# KiCad board katia.kicad_pcb (continued)
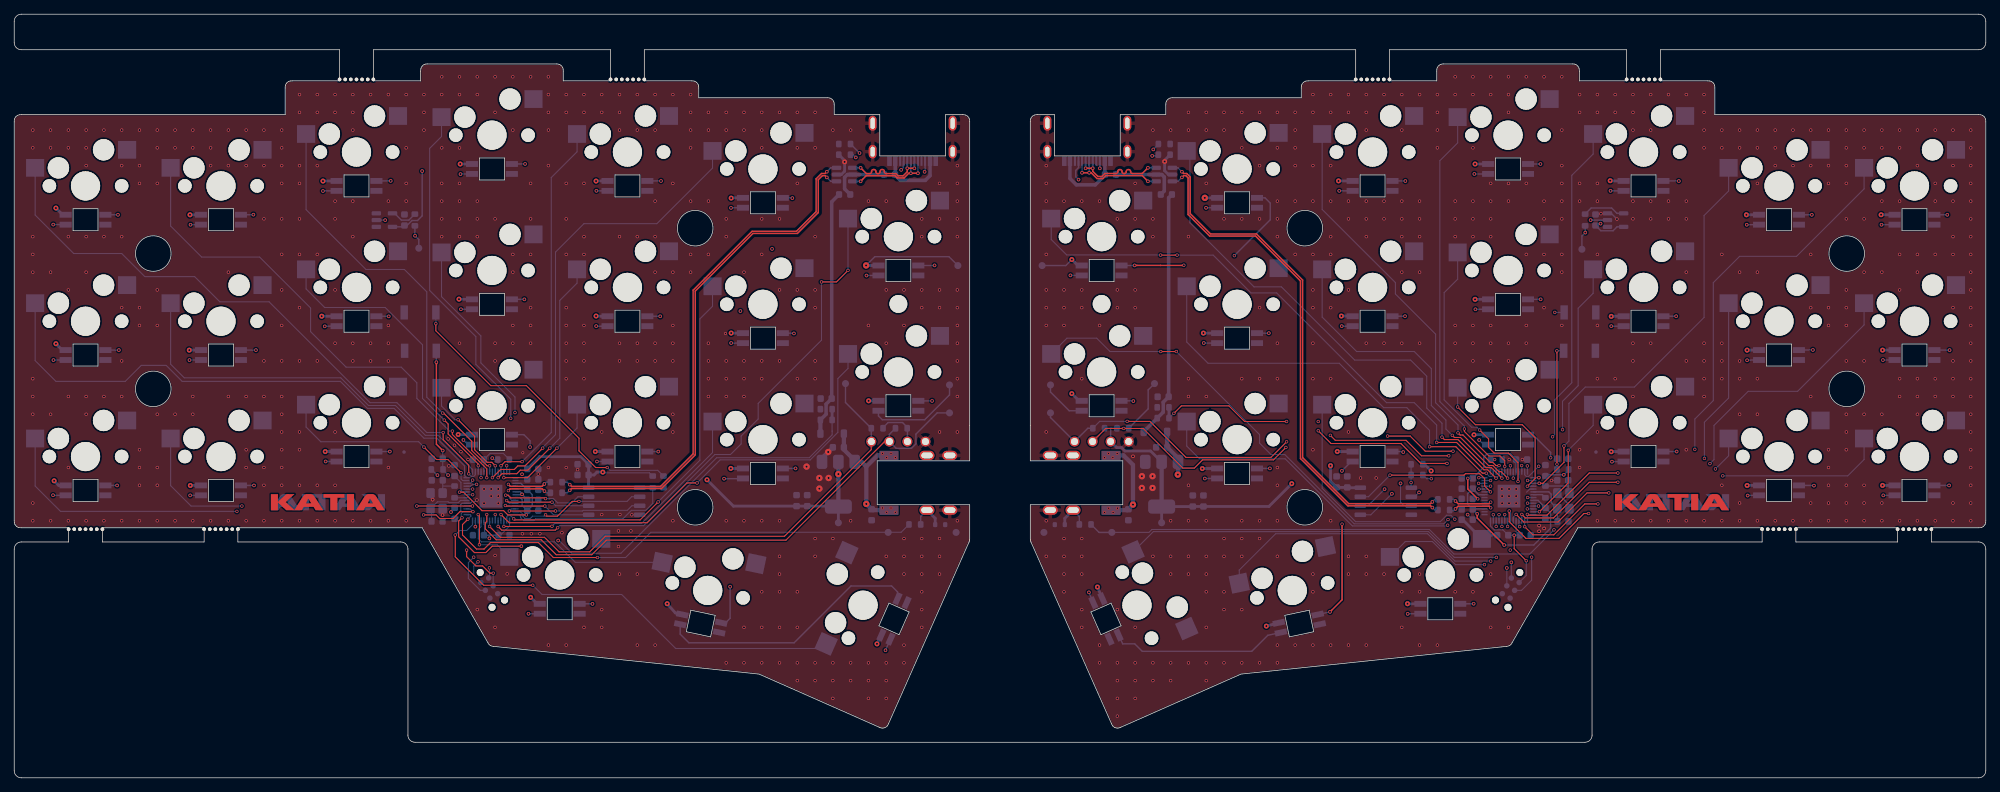
[diagram p0: board, top side]
## Routing (per net, layer and track width the routed paths; a pad name or vN(x,y) marks a point on that pad's centre or on a via; arc(x,y) is an arc through that point) (continued)
/Left Board/D+: length 73.6
  Top w0.2: v4(78.11,40.47) 78.36,40.72 91.02,40.72 95.76,45.47 95.76,68.52 103.88,76.63 110.13,76.63 113.06,79.57 113.06,84.19 113.64,84.77 114.01,84.77 v4(114.26,84.52)
  Bottom w0.2: R3.1 77.76,40.12 v4(78.11,40.47) ; U5.1 114.81,83.97 v4(114.26,84.52)
/Left Board/D-: length 73.6
  Top w0.2: v4(114.26,85.32) 114.01,85.07 113.51,85.07 112.76,84.32 112.76,79.69 110,76.93 103.75,76.93 95.46,68.64 95.46,45.59 90.89,41.02 78.36,41.02 v4(78.11,41.27)
  Bottom w0.2: v4(114.26,85.32) 114.81,85.87 U5.3 ; R4.2 77.76,41.62 v4(78.11,41.27)
/Left Board/KEY1: length 63.5
  Top w0.15: v1(72.91,27.1) 66.01,27.1 62.01,31.1 v1(62.01,34.17)
  Bottom w0.15: U1.14 64.44,35.63 63.61,34.8 62.64,34.8 v1(62.01,34.17) ; v1(72.91,27.1) 74.21,25.8 85.41,25.8 93.01,18.2 113.52,18.2
/Left Board/KEY2: length 38.9
  Top w0.15: v1(68.84,35.38) 75.59,35.38 v1(75.61,35.4)
  Bottom w0.15: v1(75.61,35.4) 76,35.79 88.2,35.79 98.19,45.78 SW20.1 ; v1(68.84,35.38) U1.3
/Left Board/KEY3: length 56.7
  Top w0.15: v1(90.54,38.83) 88.01,36.3 70.39,36.3 v1(70.24,36.45)
  Bottom w0.15: U1.2 69.24,36.71 69.44,36.9 69.79,36.9 v1(70.24,36.45) ; SW19.1 98.19,66.38 96.41,64.6 96.41,44.7 v1(90.54,38.83)
/Left Board/KEY4: length 67.4
  Top w0.15: v1(67.24,42.25) 68.4,43.4 70.31,43.4 70.81,43.9 71.81,43.9 v1(74.31,46.4)
  Bottom w0.15: U1.36 v1(67.24,42.25) ; 98.19,88.24 98.19,85.83 90.36,78 80.11,78 76.11,74 76.11,48.3 74.31,46.5 v1(74.31,46.4)
/Left Board/KEY5: length 53.4
  Top w0.15: v1(71.41,44.5) 69.02,44.5 v1(68.44,43.93)
  Bottom w0.15: SW14.1 79.14,88.13 75.51,84.5 75.51,48.6 v1(71.41,44.5) ; U1.39 v1(68.44,43.93)
/Left Board/KEY6: length 36.6
  Top w0.15: v1(68.04,42.25) 68.6,42.8 70.66,42.8 71.16,43.3 72.21,43.3 v1(75.31,46.4)
  Bottom w0.15: v1(75.31,46.4) 76.71,47.8 76.71,67.2 79.14,69.63 SW15.1 ; U1.38 v1(68.04,42.25)
/Left Board/KEY7: length 17.3
  Top w0.15: v1(68.84,42.25) 72.16,42.25 v1(76.31,46.4)
  Bottom w0.15: v1(76.31,46.4) 79.14,49.23 SW16.1 ; U1.40 v1(68.84,42.25)
/Left Board/KEY8: length 29.9
  Bottom w0.15: SW17.1 78.89,30.33 75.99,33.22 65.69,33.22 65.26,33.65 65.26,34.97 65.64,35.35 U1.11
/Left Board/KEY9: length 10.1
  Top w0.15: v1(65.41,32.8) 65.41,36.89 v1(65.24,37.06)
  Bottom w0.15: v1(65.41,32.8) 67.91,32.8 SW13.1 ; v1(65.24,37.06) U1.12
/Left Board/KEY10: length 15.6
  Top w0.15: v1(67.64,43.93) 67.17,44.4 67.05,44.4 67.04,44.41 66.64,44.41 66.64,44.4 66.51,44.4 64.74,46.18 64.74,48.08 v1(62.41,50.4)
  Bottom w0.15: v1(62.41,50.4) 62.01,50.4 60.09,52.33 SW12.1 ; U1.37 v1(67.64,43.93)
/Left Board/KEY11: length 43.2
  In1.Cu w0.15: v1(67.64,37.06) 68.56,37.98 68.56,41.15 70.41,43 v1(70.41,51.4)
  Bottom w0.15: SW11.1 60.09,67.73 65.61,62.2 65.61,58.4 70.41,53.6 v1(70.41,51.4) ; v1(67.64,37.06) U1.6
/Left Board/KEY12: length 55.6
  In1.Cu w0.15: v1(69.24,43.93) 69.81,44.5 v1(69.81,50.6)
  Bottom w0.15: U1.41 v1(69.24,43.93) ; SW10.1 60.09,90.28 58.41,88.6 58.41,68.6 64.91,62.11 64.91,58.21 69.81,53.3 v1(69.81,50.6)
/Left Board/KEY13: length 61.7
  Top w0.15: v1(60.25,51.34) 60.38,51.34 64.34,47.38 64.34,46.08 66.49,43.93 v1(66.84,43.93)
  Bottom w0.15: U1.35 v1(66.84,43.93) ; v1(60.25,51.34) 58.01,53.58 58.01,68.4 54.86,71.55 49.46,71.55 41.04,79.98 SW7.1
/Left Board/KEY14: length 43.5
  Top w0.15: v1(65.25,43.93) 65.25,44.16 61.01,48.4 61.01,49.8 v1(60.46,50.35)
  Bottom w0.15: U1.31 65.24,43.92 v1(65.25,43.93) ; v1(60.46,50.35) 57.41,53.4 57.41,60.95 52.16,66.2 43.66,66.2 41.04,68.82 SW8.1
/Left Board/KEY15: length 29.3
  Top w0.15: v1(57.61,46.55) 59.36,44.8 60.97,44.8 v1(62.83,42.94)
  Bottom w0.15: U1.27 63.05,41.85 62.83,42.07 v1(62.83,42.94) ; v1(57.61,46.55) 56.86,47.3 43.11,47.3 41.04,49.38 SW9.1
/Left Board/KEY16: length 51.1
  Top w0.15: v1(56.61,38.26) v1(64.44,38.26)
  In2.Cu w0.15: v1(32.01,38.25) 56.61,38.25 v1(56.61,38.26)
  Bottom w0.15: SW6.1 21.99,41.13 24.86,38.25 v1(32.01,38.25) ; v1(64.44,38.26) 64.43,38.25 U1.18 ; v1(56.61,38.26) 56.61,38.25
/Left Board/KEY17: length 57.2
  Bottom w0.15: 64.44,43.37 59.61,48.2 57.81,48.2 53.61,52.4 49.81,52.4 45.91,56.3 23.91,56.3 21.99,58.23 SW5.1
/Left Board/KEY18: length 72.4
  Top w0.15: v1(66.44,42.25) 66.44,43.5 61.61,48.33 v1(61.61,48.8)
  Bottom w0.15: SW4.1 21.99,77.68 26.36,73.3 34.5,73.3 41.67,66.13 41.67,62.8 46.67,57.8 54.41,57.8 56.61,55.6 56.61,53.4 61.21,48.8 v1(61.61,48.8) ; U1.34 v1(66.44,42.25)
/Left Board/KEY19: length 85.6
  Top w0.15: v1(63.91,42.79) 63.91,44 60.31,47.6 v1(60.31,48.6)
  Bottom w0.15: U1.30 64.84,42.66 64.61,42.42 64.28,42.42 v1(63.91,42.79) ; SW1.1 2.94,79.23 8.36,73.8 15.11,73.8 18.36,70.55 25.36,70.55 28.91,67 35.84,67 50.04,52.8 53.81,52.8 58.01,48.6 v1(60.31,48.6)
/Left Board/KEY20: length 78.2
  Bottom w0.15: SW2.1 2.94,58.73 5.86,55.8 15.61,55.8 17.86,58.05 21.36,58.05 23.61,55.8 45.86,55.8 49.66,52 53.41,52 57.61,47.8 59.41,47.8 63.31,43.9 63.31,42.54 U1.28
/Left Board/KEY21: length 71.6
  Top w0.15: v1(57.56,37) 59.31,37 59.81,36.5 61.71,36.5 62.67,37.46 v1(64.5,37.46)
  In2.Cu w0.15: v1(31.31,37.5) 57.06,37.5 v1(57.56,37)
  Bottom w0.15: SW3.1 2.94,41.08 6.51,37.5 v1(31.31,37.5) ; v1(64.5,37.46) 64.11,37.85 U1.17 ; v1(57.56,37) 57.54,36.98
/Left Board/KEY22: length 79.4
  Top w0.15: v1(117.24,71.43) 115.61,69.8 v1(113.51,69.8) ; v1(68.04,35.37) 68.05,35.37 68.55,34.86 76.07,34.86 v1(76.41,35.2)
  Bottom w0.15: v1(113.51,69.8) 113.51,61.6 104.61,52.7 104.61,50.5 102.21,48.1 102.21,47 100.71,45.5 98.51,45.5 88.5,35.49 76.7,35.49 v1(76.41,35.2) ; v1(117.24,71.43) SW22.1 ; v1(68.04,35.37) U1.5
/Left Board/KEY23: length 65.6
  Top w0.15: v1(96.01,41.5) 94.61,41.5 89.01,35.9 69.6,35.9 v1(68.44,37.06)
  Bottom w0.15: v1(96.01,41.5) 99.26,44.75 111.94,44.75 115.81,48.63 115.81,56.2 117.24,57.63 SW23.1 ; v1(68.44,37.06) U1.4
/Left Board/LED: length 53.1
  In1.Cu w0.2: v4(52.16,78.5) 55.06,75.6 55.06,40.78 60.49,35.35 v4(64.84,35.35)
  Bottom w0.15: U1.13 v4(64.84,35.35)
  Bottom w0.2: U4.2 52.16,78.51 v4(52.16,78.5)
/Left Board/QSPI_SCLK: length 13.2
  Top w0.15: v1(75.61,38.8) 69.46,38.8 v1(69.24,39.03)
  Bottom w0.15: v1(75.61,38.8) 76.12,38.29 U3.6 ; U1.52 69.62,38.65 v1(69.24,39.03)
/Left Board/QSPI_SD0: length 13.7
  Top w0.15: v1(74.61,38.25) 69.14,38.25 v1(69.06,38.33)
  Bottom w0.15: U3.5 75.84,37.02 v1(74.61,38.25) ; v1(69.06,38.33) 69.14,38.25 69.55,38.25 69.56,38.25 U1.53
/Left Board/QSPI_SD1: length 19.5
  Top w0.15: v1(74.71,37.03) 74.91,36.83 76.39,36.83 78.46,38.9 v1(79.41,38.9)
  Bottom w0.15: v1(79.41,38.9) 86.16,38.9 86.82,39.56 U3.2 ; U1.55 71.17,37.45 71.53,37.08 71.53,36.81 71.81,36.52 71.82,36.52 71.84,36.5 72.56,36.5 72.89,36.83 74.52,36.83 v1(74.71,37.03)
/Left Board/QSPI_SD2: length 19.6
  Top w0.15: v1(76.11,37.55) v1(69.61,37.55)
  Bottom w0.15: U1.54 69.91,37.85 v1(69.61,37.55) ; U3.3 86.85,38.29 86.21,37.65 80,37.65 79.9,37.55 v1(76.11,37.55)
/Left Board/QSPI_SD3: length 14.2
  Top w0.15: v1(74.71,39.3) 74.61,39.4 69.84,39.4 69.46,39.78 v1(69.1,39.78)
  Bottom w0.15: U1.51 69.97,39.05 69.71,39.3 69.71,39.45 69.39,39.78 v1(69.1,39.78) ; v1(74.71,39.3) 75.81,39.3 76.41,38.7 78.41,38.7 79.27,39.56 U3.7
/Left Board/QSPI_SS: length 26.3
  Bottom w0.15: R18.1 R17.1 89.78,38.62 88.81,37.65 86.78,37.65 85.6,36.47 73.32,36.47 73.05,36.2 71.61,36.2 71.21,36.6 71.21,36.8 70.97,37.05 U1.56 ; U3.1 89.77,40.83
/Left Board/RUN: length 41.5
  Top w0.15: v1(67.36,28.8) 66.89,28.8 65.87,29.83 64.92,29.83 63.61,31.13 v1(63.61,32.05)
  Top w0.2: v4(59.36,58.5) 59.36,46.95 v4(60.25,46.06)
  In1.Cu w0.15: v4(61.01,42.6) 62,41.62 63.86,41.62 ; v1(64.46,41.9) 64.18,41.62 63.86,41.62 ; 63.86,41.62 63.86,37.3 65.41,35.75 65.41,33.85 v1(63.61,32.05)
  Bottom w0.15: v1(64.46,41.9) 64.33,41.77 64.33,41.62 64.16,41.45 U1.26 ; v4(60.25,46.06) C5.1 60.25,43.45 ; v4(61.01,42.6) 60.3,43.32 ; J3.3 67.35,28.79 v1(67.36,28.8)
  Bottom w0.2: TACTSW1.2 59.35,58.52 v4(59.36,58.5)
/Left Board/SCL: length 81.8
  Top w0.15: J2.2 122.39,47.33 108.51,33.45 83.26,33.45 81.21,31.4 76.21,31.4 74.11,33.5 67.77,33.5 66.24,35.04 66.24,35.88 66.44,36.08 v1(66.44,37.06)
  Bottom w0.15: v1(66.44,37.06) U1.9
  Bottom w0.2: TP3.1 129.78,51.37 126.79,48.38 126.79,47 126.17,46.38 124.01,46.38 J2.2 123.06,48.35 R8.2
/Left Board/SDA: length 72.7
  Top w0.15: J2.1 120.52,46.21 108.31,34 83.11,34 80.91,31.8 76.61,31.8 74.56,33.85 68.36,33.85 v1(66.84,35.38)
  Bottom w0.15: U1.8 66.84,35.38 v1(66.84,35.38)
  Bottom w0.2: 120.51,47.34 R7.2 116.89,52.83 TP2.1
/Left Board/SPLIT_HAND: length 5.1
  In1.Cu w0.15: v1(65.64,42.25) 65.64,43.43 v4(67.21,45)
  Bottom w0.15: 67.97,44.8 67.41,44.8 v4(67.21,45) ; U1.32 v1(65.64,42.25)
/Left Board/SWCLK: length 18.2
  In1.Cu w0.15: v1(64.46,40.64) 65.54,39.56 65.54,37.83 65.86,37.5 65.86,36.65 66.24,36.28 66.24,32.68 v1(64.61,31.05)
  Bottom w0.15: v1(64.61,31.05) 63.86,30.3 63.86,28.05 65.53,26.39 J3.4 ; v1(64.46,40.64) 64.45,40.65 U1.24
/Left Board/SWD: length 17.9
  In1.Cu w0.15: v1(65.21,30.4) 67.44,32.63 67.44,35.98 67.04,36.38 67.04,38.73 65.01,40.75 65.01,41.21 65.03,41.23 v1(65.01,41.3)
  Bottom w0.15: J3.2 64.61,28.49 64.61,29.8 v1(65.21,30.4) ; U1.25 64.16,41.05 64.26,41.15 64.28,41.15 64.44,41.3 v1(65.01,41.3)
/Left Board/TX: length 70.7
  Top w0.15: v1(63.79,36.4) 63.03,35.65 63.03,34.18 65.01,32.2 66.06,32.2 66.96,33.1 73.71,33.1 75.81,31 v1(82.01,31)
  Bottom w0.15: U1.15 64.12,37.05 64.21,36.96 64.21,36.83 v1(63.79,36.4) ; R6.2 124.71,34.56 89.52,34.56 85.96,31 v1(82.01,31)
/Left Board/USB/DATA+: length 13.3
  Top w0.2: v4(127.07,85.1) v4(126.08,85.1) 125.79,85.1 125.13,84.44 124.16,84.44 123.85,84.75 119.8,84.75 v4(119.01,83.97)
  Bottom w0.2: J7.B6 127.08,85.11 v4(127.07,85.1) ; U5.6 v4(119.01,83.97) ; 119.01,84 118.98,83.97 ; v4(126.08,85.1) J7.A6
/Left Board/USB/DATA-: length 13.4
  Top w0.2: v4(119.01,85.87) 119.83,85.06 120.31,85.06 arc(120.48,85.13) 120.55,85.3 120.55,85.39 arc(120.62,85.56) 120.79,85.63 120.91,85.63 arc(121.08,85.56) 121.15,85.39 121.15,85.3 arc(121.22,85.13) 121.39,85.06 121.51,85.06 arc(121.68,85.13) 121.75,85.3 121.75,85.39 arc(121.82,85.56) 121.99,85.63 122.11,85.63 arc(122.28,85.56) 122.35,85.39 122.35,85.3 arc(122.42,85.13) 122.59,85.06 123.98,85.06 124.29,84.75 125,84.75 125.58,85.32 v4(125.58,85.8) v4(126.58,85.8)
  Bottom w0.2: v4(126.58,85.8) J7.A7 ; v4(125.58,85.8) J7.B7 ; 119.01,85.85 118.96,85.85 118.95,85.87 ; U5.4 v4(119.01,85.87)
/Left Board/USB_VBUS: length 69.8
  Top w0.15: v4(71.31,32.6) 67.21,32.6 66.31,31.7 64.71,31.7 62.49,33.92 62.49,36.13 v1(62.96,36.6)
  In1.Cu w0.15: v4(76.49,33.4) 72.11,33.4 v4(71.31,32.6)
  Bottom w0.15: U1.16 63.08,37.45 62.86,37.23 62.86,36.7 v1(62.96,36.6) ; R22.2 115.01,48.81 115.01,48.8 115.01,48.28 111.79,45.05 98.76,45.05 85.31,31.6 78.41,31.6 76.62,33.4 v4(76.49,33.4)
  Bottom w0.4: R22.2 R23.1
/Left Board/XIN: length 7.3
  Bottom w0.15: U1.20 62.76,39.05 62.44,38.73 61.14,38.73 61.01,38.85 59.52,38.85 Y1.1 ; C2.1 58.68,37.74
/Left Board/XOUT: length 1.7
  Bottom w0.15: R2.2 63.58,39.42 U1.21
/Right Board/D+: length 74.8
  Top w0.2: v4(199.41,38.84) 199.16,38.59 187.64,38.59 181.16,45.07 181.16,70.07 174.68,76.56 168.23,76.56 165.36,79.42 165.36,84.57 164.86,85.07 164.44,85.07 v4(164.19,85.32)
  Bottom w0.2: R11.1 199.76,39.19 v4(199.41,38.84) ; U9.1 163.64,85.87 v4(164.19,85.32)
/Right Board/D-: length 74.8
  Top w0.2: v4(199.41,38.04) 199.16,38.29 187.51,38.29 180.86,44.94 180.86,69.94 174.55,76.25 168.1,76.25 165.06,79.29 165.06,84.44 164.74,84.77 164.44,84.77 v4(164.19,84.52)
  Bottom w0.2: R12.2 199.76,37.69 v4(199.41,38.04) ; v4(164.19,84.52) 163.64,83.97 U9.3
/Right Board/KEY1: length 59.6
  In1.Cu w0.15: v1(208.41,31.03) 208.41,33.8 v1(209.99,35.38)
  Bottom w0.15: v1(208.41,31.03) 202.49,31.03 198.86,34.65 160.17,34.65 SW44.1 ; U2.36 209.98,35.38
/Right Board/KEY2: length 54.3
  In1.Cu w0.15: v1(201.56,35.55) 207.86,35.55 208.17,35.86 208.39,35.86 v1(209.58,37.05)
  Bottom w0.15: SW43.1 164.87,46.7 166.66,44.9 178.71,44.9 188.16,35.45 201.46,35.45 v1(201.56,35.55) ; v1(209.58,37.05) U2.37
/Right Board/KEY3: length 60.7
  Top w0.15: v1(206.99,42.88) 206.44,42.88 202.71,46.6 v1(199.01,46.6)
  Bottom w0.15: v1(199.01,46.6) 199.01,48.9 195.81,52.1 192.56,52.1 186.31,58.35 167.86,58.35 164.87,61.35 SW42.1 ; v1(206.99,42.88) 206.99,42.85 207.42,42.42 207.76,42.42 207.98,42.65 U2.2
/Right Board/KEY4: length 73.7
  Top w0.15: v1(209.19,42.18) 207.71,43.65 206.96,43.65 203.01,47.6 201.11,47.6 v1(200.76,47.95)
  Bottom w0.15: v1(209.19,42.18) 209.18,42.18 U2.5 ; v1(200.76,47.95) 200.76,49.9 198.61,52.05 198.61,56.54 196.35,58.8 188.49,58.8 178.19,69.11 174.34,69.11 165.31,78.13 165.31,87.8 164.87,88.24
/Right Board/KEY5: length 58.7
  Top w0.15: v1(203.01,48.55) 203.31,48.25 203.71,48.25 207.56,44.4 207.89,44.4 208.34,43.95 v1(208.79,43.95)
  Bottom w0.15: v1(203.01,48.55) 203.01,49.65 199.86,52.8 199.86,62.45 194.21,68.1 194.21,69.7 183.92,80 SW37.1 ; v1(208.79,43.95) 208.38,43.55 U2.3
/Right Board/KEY6: length 46.9
  Top w0.15: v1(202.21,48.2) 202.51,47.9 203.36,47.9 207.31,43.95 207.91,43.95 208.76,43.1 209.06,43.1 v1(209.99,42.18)
  Bottom w0.15: v1(209.99,42.18) 209.98,42.18 U2.7 ; v1(202.21,48.2) 201.31,49.1 201.31,50.35 199.26,52.4 199.26,57.6 196.86,60 188.76,60 183.92,64.85 SW38.1
/Right Board/KEY7: length 39.6
  In1.Cu w0.15: v1(207.98,37.03) 207.35,36.4 v1(202.56,36.4)
  Bottom w0.15: v1(202.56,36.4) 202.01,36.95 201.41,36.95 200.51,36.06 188.61,36.06 183.92,40.75 SW39.1 ; v1(207.98,37.03) 207.98,37.08 U2.41
/Right Board/KEY8: length 47.3
  In1.Cu w0.15: v1(209.19,35.38) 207.61,33.8 v1(207.61,30.5)
  Bottom w0.15: U2.38 209.18,35.38 v1(209.19,35.38) ; v1(207.61,30.5) 202.59,30.5 198.74,34.35 177.36,34.35 172.25,29.25 SW40.1
/Right Board/KEY9: length 22.4
  In1.Cu w0.15: v1(208.38,35.38) 206.74,33.74 v1(206.74,30)
  Bottom w0.15: SW36.1 195.6,33.25 199.41,33.25 202.66,30 v1(206.74,30) ; v1(208.38,35.38) U2.40
/Right Board/KEY10: length 23.5
  Top w0.15: v1(202.97,52.2) 205.46,49.7 212.04,49.7 213.85,47.89 213.85,42.12 212.78,41.04 v1(212.76,41.04)
  Bottom w0.15: v1(202.97,52.2) SW35.1 ; v1(212.76,41.04) 212.79,41.04 212.79,41.05 U2.18
/Right Board/KEY11: length 40.4
  Top w0.15: v1(206.06,48.95) 207.31,47.7 207.31,46.5 208.11,45.7 210.11,45.7 211.45,44.36 v1(211.45,41.71)
  Bottom w0.15: U2.11 211.58,42.21 211.45,42.08 v1(211.45,41.71) ; SW34.1 202.97,70.19 201.06,68.29 201.06,53.2 204.91,49.35 205.66,49.35 v1(206.06,48.95)
/Right Board/KEY12: length 55.6
  Top w0.15: v1(209.58,43.83) 209.58,44.63 208.91,45.3 207.36,45.3 203.91,48.75 v1(203.91,49.1)
  Bottom w0.15: SW33.1 202.97,89.38 200.46,86.87 200.46,52.95 203.91,49.5 v1(203.91,49.1) ; v1(209.58,43.83) U2.6
/Right Board/KEY13: length 52.1
  In1.Cu w0.15: v1(216.31,48) 216.31,47.59 213.13,44.4 212.46,44.4 212.01,43.95 v1(211.96,43.95)
  Bottom w0.15: v1(216.31,48) 216.61,48.3 216.61,53.2 219.01,55.6 219.01,84.8 222.02,87.81 SW30.1 ; v1(211.96,43.95) 211.96,43.94 211.98,43.92 U2.12
/Right Board/KEY14: length 32.6
  In1.Cu w0.15: v1(217.71,49) 217.71,48.4 213.21,43.9 v1(212.76,43.9)
  Bottom w0.15: v1(217.71,49) 217.71,53 219.91,55.2 219.91,66.1 222.02,68.21 SW31.1 ; v1(212.76,43.9) 212.78,43.88 U2.14
/Right Board/KEY15: length 19
  Top w0.15: v1(218.51,46.1) 218.51,41.5 v1(214.46,37.45)
  Bottom w0.15: v1(214.46,37.45) 214.29,37.45 214.28,37.45 U2.27 ; v1(218.51,46.1) 222.02,49.61 SW32.1
/Right Board/KEY16: length 37.1
  Top w0.15: v1(222.68,38.55) 220.84,38.55 216.49,34.2 213.54,34.2 v1(212.39,35.35)
  In2.Cu w0.15: v1(222.68,38.55) 234.29,38.55 v1(239.21,43.48)
  Bottom w0.15: v1(239.21,43.48) 241.07,45.33 SW29.1 ; v1(212.39,35.35) 212.38,35.36 U2.30
/Right Board/KEY17: length 53.5
  Top w0.15: v1(211.99,37.08) 212.49,36.58 216.44,36.58 221.46,41.6 v1(225.49,41.6)
  In2.Cu w0.15: v1(237.66,44.95) 234.31,41.6 v1(225.49,41.6)
  Bottom w0.15: U2.31 211.98,37.07 v1(211.99,37.08) ; v1(237.66,44.95) 237.66,50.05 241.07,53.46 SW28.1
/Right Board/KEY18: length 60.6
  Top w0.15: v1(217.91,46.7) 217.91,44.4 214.96,41.45 v4(214.44,41.45)
  Bottom w0.15: SW27.1 241.07,82.61 237.61,79.15 237.61,64.8 227.81,55 220.91,55 218.61,52.7 218.61,47.4 v1(217.91,46.7) ; v4(214.44,41.45) 214.43,41.45 U2.17
/Right Board/KEY19: length 83
  Top w0.15: v1(212.76,37.08) 212.86,36.98 215.54,36.98 221.46,42.9 v1(225.49,42.9)
  In2.Cu w0.15: v1(236.31,46.23) 236.31,45.3 233.91,42.9 v1(225.49,42.9)
  Bottom w0.15: v1(236.31,46.23) 236.31,50.5 238.91,53.1 238.91,69.7 242.61,73.4 250.61,73.4 260.12,82.91 SW24.1 ; U2.29 212.78,37.06 v1(212.76,37.08)
/Right Board/KEY20: length 67.8
  Top w0.15: v1(211.19,37.08) 212.26,36 217.06,36 221.16,40.1 v1(224.21,40.1)
  In2.Cu w0.15: v1(238.44,44.23) 234.31,40.1 v1(224.21,40.1)
  Bottom w0.15: v1(238.44,44.23) 239.01,44.8 239.01,49.6 243.81,54.4 250.76,54.4 260.12,63.76 SW25.1 ; v1(211.19,37.08) 210.78,36.67 U2.34
/Right Board/KEY21: length 61.3
  Top w0.15: v1(221.38,37.2) 220.71,37.2 217.21,33.7 212.56,33.7 210.21,36.05 v1(210.21,37.55)
  In2.Cu w0.15: v1(240.24,42.5) 239.84,42.5 234.54,37.2 v1(221.38,37.2)
  Bottom w0.15: v1(240.24,42.5) 257.81,42.5 260.12,44.81 SW26.1 ; U2.35 210.38,37.38 v1(210.21,37.55)
/Right Board/KEY22: length 81.9
  Top w0.15: v1(200.01,47.2) 202.81,47.2 206.66,43.35 207.19,43.35 v1(208.36,42.18) ; v1(163.51,73.58) v1(161.19,73.58)
  Bottom w0.15: v1(200.01,47.2) 200.01,49.65 196.86,52.8 192.96,52.8 177.51,68.25 173.91,68.25 168.59,73.58 v1(163.51,73.58) ; SW45.1 145.82,75.78 147.99,73.6 161.16,73.6 v1(161.19,73.58) ; v1(208.36,42.18) 208.78,42.6 U2.4
/Right Board/KEY23: length 77.1
  Top w0.15: v1(163.41,60) v1(161.21,60)
  In1.Cu w0.15: v1(208.78,37.05) 207.66,35.93 202.04,35.93 v1(201.61,36.35)
  Bottom w0.15: SW46.1 148.03,61.88 152.21,61.88 154.09,60 v1(161.21,60) ; v1(208.78,37.05) U2.39 ; v1(163.41,60) 175.11,48.3 175.11,47.1 176.71,45.5 178.66,45.5 188.41,35.76 201.01,35.76 v1(201.61,36.35)
/Right Board/LED: length 43.1
  In1.Cu w0.2: v1(214.36,43.85) 214.36,44.35 221.66,51.65 v4(221.66,78.5)
  Bottom w0.15: U2.13 212.38,42.66 212.62,42.42 212.95,42.42 214.36,43.84 v1(214.36,43.85)
  Bottom w0.2: U8.2 221.95,78.51 221.95,78.5 v4(221.66,78.5)
/Right Board/QSPI_SCLK: length 18.4
  In2.Cu w0.15: v1(205.95,40.65) 192.71,40.65 v4(192.69,40.63)
  Bottom w0.15: v4(192.69,40.63) 190.35,38.29 U7.6 ; U2.52 v1(205.95,40.65)
/Right Board/QSPI_SD0: length 21.4
  In2.Cu w0.15: v4(193.71,39.98) 194.29,39.4 197.91,39.4 198.49,39.98 205.34,39.98 205.44,39.87 206.38,39.87 206.39,39.88 206.41,39.88 207.59,41.06 v1(207.59,41.05)
  Bottom w0.15: v4(193.71,39.98) 190.76,37.02 U7.5 ; v1(207.59,41.05) U2.53
/Right Board/QSPI_SD1: length 13.2
  In2.Cu w0.15: v4(197.54,40.17) 198.18,40.17 198.31,40.3 205.49,40.3 205.62,40.17 206.26,40.17 206.81,40.73 206.81,41.07 v1(207.59,41.85)
  Bottom w0.15: U2.55 v1(207.59,41.85) ; U7.2 196.93,39.56 v4(197.54,40.17)
/Right Board/QSPI_SD2: length 16.5
  In2.Cu w0.15: v4(194.93,41.45) 195.31,41.07 197.86,41.07 197.99,41.2 205.66,41.2 v1(205.9,41.45)
  Bottom w0.15: U7.3 195.42,38.29 194.93,38.78 v4(194.93,41.45) ; U2.54 v1(205.9,41.45)
/Right Board/QSPI_SD3: length 22.2
  Top w0.15: v1(193.46,42.6) 203.86,42.6 204.06,42.8 206.06,42.8 206.76,42.1 206.76,41.07 v1(207.58,40.25)
  Bottom w0.15: U7.7 190.42,39.56 v1(193.46,42.6) ; v1(207.58,40.25) U2.51
/Right Board/QSPI_SS: length 13.9
  In2.Cu w0.15: v1(196.42,41.55) 205.25,41.55 v1(205.94,42.25)
  Bottom w0.15: 196.42,40.87 R25.1 R24.1 ; U2.56 v1(205.94,42.25)
/Right Board/RUN: length 45.5
  Top w0.15: v1(216.93,44.15) 216.93,60.09 v1(216.91,60.1)
  In1.Cu w0.15: v1(210.36,32.05) 213.24,34.93 213.24,37.38 v1(212.76,37.85)
  In2.Cu w0.15: v1(216.93,44.15) 215.51,42.74 215.51,41.48 214.38,40.35 212.76,40.35 212.26,39.86 212.26,38.35 v1(212.76,37.85) ; v1(213.36,31.05) 211.36,31.05 v1(210.36,32.05)
  Bottom w0.15: v1(212.76,37.85) 212.77,37.85 U2.26 ; v1(213.36,31.05) 213.36,27.8 211.95,26.39 J6.3
  Bottom w0.2: v1(216.91,60.1) 216.92,60.11 TACTSW2.2 ; R9.2 v1(216.93,44.15) 216.93,44.88
/Right Board/SCL: length 77.7
  Top w0.15: v1(178.81,46.5) 177.06,44.75 167.09,44.75 165.94,43.6 164.31,43.6 158.74,49.18 v1(156.01,49.18) 153.48,49.18 J5.2 ; v1(185.06,48.2) 185.76,47.51 195.71,47.51 197.89,45.33 v1(201.71,45.33)
  In2.Cu w0.15: v1(178.81,46.5) 180.51,48.2 v1(185.06,48.2) ; v1(201.71,45.33) 210.39,45.33 210.87,44.85 210.87,42.26 v1(210.79,42.18)
  Bottom w0.15: v1(210.79,42.18) 210.78,42.18 U2.9 ; v1(156.01,49.18) 156.69,49.18
  Bottom w0.2: R16.2 159.45,51.94 159.45,54.6 TP6.1
/Right Board/SDA: length 74.6
  Top w0.15: v1(178.91,47.3) 176.71,45.1 164.76,45.1 159.69,50.17 v1(156.49,50.17) ; v1(183.36,48.85) 185.16,47.05 194.99,47.05 197.79,44.25 v1(201.46,44.25)
  In2.Cu w0.15: v1(178.91,47.3) 180.46,48.85 v1(183.36,48.85) ; v1(210.39,43.93) 209.86,44.45 208.56,44.45 208.36,44.25 v1(201.46,44.25)
  Bottom w0.15: U2.8 210.38,43.92 v1(210.39,43.93) ; R15.2 152.63,50.17 v1(156.49,50.17)
  Bottom w0.2: TP5.1 145.71,50.71 J5.1 150.96,49.2 R15.2
/Right Board/SPLIT_HAND: length 14.7
  In1.Cu w0.15: v1(208.16,44.8) 208.16,43.7 208.86,43 211.11,43 211.96,42.15 211.96,38.65 210.71,37.4 210.71,36.33 v1(211.69,35.35)
  Bottom w0.15: v1(211.69,35.35) 211.58,35.46 U2.32 ; v1(208.16,44.8) 208.16,44.8 R13.2
/Right Board/SWCLK: length 14.3
  In1.Cu w0.15: v1(212.79,38.65) 213.56,37.88 213.56,34.2 209.86,30.5 209.86,29.55 v4(209.88,29.54)
  Bottom w0.15: v4(209.88,29.54) J6.4 ; U2.24 212.79,38.65 v1(212.79,38.65)
/Right Board/SWD: length 12.4
  In1.Cu w0.15: v1(214.34,38.25) 213.86,37.78 213.86,33.68 v4(210.51,30.33)
  Bottom w0.15: v1(214.34,38.25) 214.33,38.25 U2.25 ; v4(210.51,30.33) J6.2
/Right Board/TX: length 77.8
  In1.Cu w0.15: v1(216.51,34.9) 216.51,40.6 214.86,42.25 v4(214.39,42.25)
  Bottom w0.15: v4(214.39,42.25) 214.38,42.25 U2.15 ; TP4.1 159.56,34.54 159.97,34.96 198.99,34.96 202.44,31.51 213.11,31.51 v1(216.51,34.9)
  Bottom w0.2: TP4.1 152.53,34.54 R14.2
/Right Board/USB/DATA+: length 14.5
  Top w0.2: v4(150.65,85.8) v4(151.65,85.8) 151.65,85.38 152.38,84.66 152.95,84.66 153.36,85.07 154.93,85.07 arc(155.1,85.14) 155.17,85.31 155.17,85.38 arc(155.24,85.55) 155.41,85.62 155.53,85.62 arc(155.7,85.55) 155.77,85.38 155.77,85.31 arc(155.84,85.14) 156.01,85.07 156.13,85.07 arc(156.3,85.14) 156.37,85.31 156.37,85.38 arc(156.44,85.55) 156.61,85.62 156.73,85.62 arc(156.9,85.55) 156.97,85.38 156.97,85.31 arc(157.04,85.14) 157.21,85.07 158.61,85.07 v4(159.41,85.87)
  Bottom w0.2: v4(159.41,85.87) U9.6 ; v4(150.65,85.8) J8.A6 ; v4(151.65,85.8) J8.B6
/Right Board/USB/DATA-: length 14.5
  Top w0.2: v4(159.41,83.97) 158.61,84.77 153.49,84.77 153.08,84.35 152.25,84.35 151.44,85.17 v4(151.15,85.17) v4(150.15,85.17)
  Bottom w0.2: v4(159.41,83.97) U9.4 ; J8.A7 v4(151.15,85.17) ; J8.B7 v4(150.15,85.17)
/Right Board/USB_VBUS: length 61
  Top w0.15: v1(178.91,50.15) 173.01,50.15 170.81,52.35 164.11,52.35 v1(163.06,51.3) ; v1(202.31,45.98) 198.41,45.98 196.29,48.1 v1(193.11,48.1)
  In1.Cu w0.15: v1(193.11,48.1) 192.31,47.3 186.64,47.3 183.79,50.15 v1(183.36,50.15)
  In2.Cu w0.15: v1(178.91,50.15) v1(183.36,50.15) ; v1(202.31,45.98) 207.74,45.98 207.96,45.75 212.51,45.75 213.24,45.02 213.24,42.31 v1(212.79,41.85)
  Bottom w0.15: v1(163.06,51.3) 163.05,51.3 R29.2 ; U2.16 212.79,41.85 v1(212.79,41.85)
  Bottom w0.4: R30.1 R29.2
/Right Board/XIN: length 6.8
  Bottom w0.2: U2.20 215.78,40.25 216.11,39.92 216.11,38.75 Y2.1 ; 217,36.09 217,37.86
/Right Board/XOUT: length 1.9
  Bottom w0.2: R10.2 214.88,39.85 U2.21
Net-(C3-Pad1): length 3.4
  Bottom w0.15: C3.1 60.26,40.09 ; R2.1 60.29,41.07
Net-(C16-Pad1): length 4.8
  Bottom w0.2: R10.1 218.5,41.07 218.52,41.05 ; C16.1 218.52,41.05 ; 218.52,41.05 218.52,40.24
Net-(D1-A2): length 29.1
  In2.Cu w0.2: J1.R 125.21,45.38 124.29,46.3 121.86,46.3 120.79,45.23 120.79,37.75 121.74,36.8 124.31,36.8 125.19,37.68 J1.R
  Bottom w0.2: R6.1 127.46,36.8 J1.R
  Bottom w0.4: J1.R 129.5,36.53 129.5,35.66
Net-(D2-A2): length 29.1
  In1.Cu w0.2: J4.R 152.06,37.68 152.94,36.8 155.61,36.8 156.36,37.55 156.36,45.45 155.64,46.18 152.84,46.18 152.04,45.38 J4.R
  Bottom w0.2: J4.R 149.76,36.8 R14.1
  Bottom w0.4: D2.2 147.72,36.53 J4.R
Net-(D3-A): length 34.7
  Bottom w0.5: FB1.2 114.95,81.08 C31.1 114.16,52.6 114.16,51.19 R22.1
  Bottom w0.6: D3.2 113.36,50.37
Net-(D4-A): length 35
  Bottom w0.5: FB2.2 162.33,81.65 C39.1 161.56,52.87 161.56,51.47 R29.1 158.82,48.72
Net-(F1-Pad1): length 9.5
  Bottom w0.5: J7.A4 123.88,84.83 124.6,84.1 128.11,84.1 128.78,84.77 J7.A9
Net-(F2-Pad1): length 10.2
  Bottom w0.5: 153.36,84.82 152.01,83.47 149.35,83.47 148.45,84.37 J8.A4 ; 153.36,86.79 153.36,85.35 153.35,85.34 153.35,84.83
Net-(J7-CC1): length 9.9
  In2.Cu w0.2: v4(118.86,87.95) 120.26,86.55 123.74,86.55 v4(124.71,85.58)
  Bottom w0.2: v4(118.86,87.95) R20.2 ; v4(124.71,85.58) 125.02,85.89 125.02,86.74
Net-(J7-CC2): length 14.3
  In2.Cu w0.2: v4(128.01,85.3) 128.01,85.27 126.45,83.7 122.56,83.7 118.94,87.33 v4(118.34,87.33)
  Bottom w0.2: v4(128.01,85.3) 128.07,85.36 128.07,86.79 ; v4(118.34,87.33) 117.95,87.71 R21.2
Net-(J8-CC1): length 15.4
  In2.Cu w0.2: v4(149.65,84.2) 155.96,84.2 159.31,87.55 v4(160.01,87.55)
  Bottom w0.2: v4(149.65,84.2) 149.65,84.21 149.26,84.6 149.26,85.5 149.65,85.89 149.65,86.79 ; v4(160.01,87.55) 160.71,87.55
Net-(J8-CC2): length 10.6
  In2.Cu w0.2: v4(160.16,88.45) 159.51,88.45 156.84,85.78 152.66,85.78 v4(152.65,85.79)
  Bottom w0.2: v4(152.65,85.79) J8.B5 ; v4(160.16,88.45) 160.88,89.17
Net-(LED1-DIN): length 49
  In2.Cu w0.2: v4(14.59,79.25) 20.04,79.25 24.04,75.25 48.39,75.25 49.44,76.3 v4(56.36,76.3)
  Bottom w0.2: TP7.1 56.89,75.78 v4(56.36,76.3) ; LED1.3 14.58,79.26 v4(14.59,79.25) ; 56.34,76.33 R19.2
Net-(LED1-DOUT): length 25.1
  In1.Cu w0.2: v4(14.71,60.2) 14.71,61.68 13.11,63.28 13.11,65.3 5.49,72.93 v4(5.49,77.88)
  Bottom w0.2: LED2.3 14.71,60.21 v4(14.71,60.2) ; v4(5.49,77.88) 7.21,77.88
Net-(LED2-DOUT): length 24.7
  In1.Cu w0.2: v4(5.51,58.8) 5.51,53.68 13.01,46.18 13.01,42.6 v4(14.46,41.15)
  Bottom w0.2: v4(5.51,58.8) 5.66,58.8 5.67,58.81 LED2.1 ; LED3.3 14.46,41.16 v4(14.46,41.15)
Net-(LED3-DOUT): length 34
  In1.Cu w0.2: v4(5.46,39.78) 7.34,37.9 30.46,37.9 v4(33.71,41.15)
  Bottom w0.2: LED6.3 33.71,41.16 v4(33.71,41.15) ; LED3.1 5.48,39.76 v4(5.46,39.78)
Net-(LED4-DIN): length 27.6
  In1.Cu w0.2: v4(24.64,58.8) 26.28,60.44 26.28,65.13 28.02,66.87 28.02,73.66 v4(33.63,79.27)
  Bottom w0.2: LED5.1 24.65,58.81 v4(24.64,58.8) ; LED4.3 33.62,79.26 v4(33.63,79.27)
Net-(LED4-DOUT): length 35.8
  In2.Cu w0.2: v4(24.79,77.85) 26.69,75.95 44.86,75.95 v4(52.94,84.03)
  Bottom w0.2: LED4.1 24.79,77.86 v4(24.79,77.85) ; v4(52.94,84.03) 52.69,84.03 52.68,84.02 LED7.3
Net-(LED5-DIN): length 27.9
  In1.Cu w0.2: v4(24.74,39.75) 25.94,40.95 25.94,45.73 27.96,47.75 27.96,54.18 v4(33.99,60.2)
  Bottom w0.2: LED6.1 24.74,39.76 v4(24.74,39.75) ; LED5.3 33.98,60.21 v4(33.99,60.2)
Net-(LED7-DOUT): length 25.1
  In1.Cu w0.2: v4(52.66,64.95) 51.26,66.35 51.26,69.75 43.41,77.6 v4(43.41,82.6)
  Bottom w0.2: v4(43.41,82.6) 43.43,82.62 LED7.1 ; LED8.3 52.64,64.97 v4(52.66,64.95)
Net-(LED8-DOUT): length 25
  In1.Cu w0.2: v4(52.81,45.93) 51.29,47.45 51.29,50.88 43.66,58.5 v4(43.66,63.55)
  Bottom w0.2: v4(43.66,63.55) 43.68,63.57 LED8.1 ; LED9.3 52.81,45.92 v4(52.81,45.93)
Net-(LED10-DIN): length 27.6
  In1.Cu w0.2: v4(62.81,65.95) 64.38,67.52 64.38,72.22 66.53,74.37 66.53,81.11 v4(71.83,86.41)
  Bottom w0.2: LED11.1 v4(62.81,65.95) ; v4(71.83,86.41) 69.99,86.41
Net-(LED10-DOUT): length 34.6
  In2.Cu w0.2: v4(90.94,84.01) 87.92,80.99 67.63,80.99 63.64,84.98 v4(62.75,84.98)
  Bottom w0.2: LED10.1 62.77,85 v4(62.75,84.98) ; v4(90.94,84.01) 90.93,84.02 LED14.3
Net-(LED11-DIN): length 26
  In1.Cu w0.2: v4(63.16,47.55) 64.12,48.51 64.12,52.91 66.56,55.35 66.56,62.18 v4(71.74,67.35)
  Bottom w0.2: v4(63.16,47.55) 63.81,46.9 ; v4(71.74,67.35) 69.98,67.35
Net-(LED12-DIN): length 31.3
  In2.Cu w0.2: v4(72.31,23.09) 70.06,25.34 70.06,27.73 70.07,27.74 70.07,28.13 70.06,28.14 70.06,33.9 73.16,37 73.16,45.93 v4(72.54,46.55)
  Bottom w0.2: v4(72.54,46.55) 72.54,47.43 71.66,48.3 LED12.3 ; v4(72.31,23.09) LED13.1
Net-(LED13-DIN): length 52.6
  In1.Cu w0.2: v4(81.31,24.48) 78.19,21.35 71.11,21.35 61.56,30.9 61.56,32.25 52.03,41.78 46.53,41.78 v4(43.79,44.53)
  Bottom w0.2: LED13.3 81.3,24.49 v4(81.31,24.48) ; v4(43.79,44.53) 43.79,44.52 LED9.1
Net-(LED14-DOUT): length 24.8
  In1.Cu w0.2: v4(90.83,64.96) 89.33,66.46 89.33,70.06 81.86,77.53 v4(81.86,82.63)
  Bottom w0.2: v4(90.83,64.96) 90.82,64.97 LED15.3 ; LED14.1 81.87,82.62 v4(81.86,82.63)
Net-(LED15-DOUT): length 24.4
  In1.Cu w0.2: v4(81.83,63.58) 81.83,58.37 89.35,50.85 89.35,47.13 v4(90.56,45.92)
  Bottom w0.2: LED15.1 81.84,63.57 v4(81.83,63.58) ; v4(90.56,45.92) LED16.3
Net-(LED16-DOUT): length 34.8
  In2.Cu w0.2: v4(81.94,44.52) 81.94,41.22 86.34,36.83 86.34,36.82 86.63,36.53 86.64,36.53 90.46,32.7 94.86,32.7 v4(100.66,26.9)
  Bottom w0.2: v4(100.66,26.9) 100.66,22.45 100.03,21.82 ; v4(81.94,44.52) 81.94,44.52 LED16.1
Net-(LED17-DOUT): length 37.1
  Bottom w0.2: LED17.1 93.64,20.22 94.86,19 109.66,19 117.66,27 123.36,27 124.2,26.16 LED21.3
Net-(LED18-DIN): length 27
  In1.Cu w0.2: v4(102.11,65.7) 102.11,62.5 v4(100.81,61.2)
  In2.Cu w0.2: v4(102.11,65.7) 102.11,67.05 104.11,69.05 104.11,70.8 109.41,76.1 v4(109.41,81.6)
  Bottom w0.2: LED18.3 109.38,81.64 v4(109.41,81.6) ; v4(100.81,61.2) 100.83,61.19 LED19.1
Net-(LED18-DOUT): length 36
  In1.Cu w0.2: v4(106.56,74.45) 108.51,74.45 109.49,73.48 128.06,73.48 v4(129.41,72.13)
  In2.Cu w0.2: v4(106.56,74.45) v4(100.79,80.23)
  Bottom w0.2: LED18.1 100.8,80.24 v4(100.79,80.23) ; v4(129.41,72.13) 129.4,72.12 LED22.3
Net-(LED19-DIN): length 28.7
  In1.Cu w0.2: v4(99.81,42.1) 99.81,44.65 102.24,47.08 102.24,48.08 104.64,50.48 104.64,52.78 109.64,57.78 v4(109.64,62.55)
  Bottom w0.2: v4(99.81,42.1) 102.44,42.1 ; LED19.3 109.6,62.59 v4(109.64,62.55)
Net-(LED20-DIN): length 35.4
  In1.Cu w0.2: v4(109.86,43.55) 109.86,30.21 119.01,21.06 119.01,19.65 120.71,17.95 v4(122.51,17.95)
  Bottom w0.2: v4(109.86,43.55) 108.09,43.55 ; LED21.1 v4(122.51,17.95)
Net-(LED22-DOUT): length 25.1
  In1.Cu w0.2: v4(119.84,70.7) 119.84,65.75 127.44,58.15 127.44,54.68 v4(129.06,53.05)
  Bottom w0.2: v4(129.06,53.05) 127.14,53.05 ; v4(119.84,70.7) 119.85,70.72 LED22.1
Net-(LED23-DOUT): length 13.8
  Bottom w0.2: LED23.1 121.53,50.94 122.06,50.4 128.02,50.4 131.51,53.9 TP8.1
Net-(LED24-DIN): length 58.5
  In2.Cu w0.2: v4(271.81,79.25) 271.81,78.68 269.44,76.3 260.51,76.3 259.81,77 255.61,77 254.91,76.3 221.36,76.3 v4(220.91,76.75)
  Bottom w0.2: 220.91,77.68 v4(220.91,76.75) 220.44,76.28 TP12.1 ; v4(271.81,79.25) 271.81,79.26 LED24.3
Net-(LED24-DOUT): length 25.6
  In1.Cu w0.2: v4(262.56,77.85) 262.56,72.8 270.46,64.9 270.46,61.88 v4(272.14,60.2)
  Bottom w0.2: LED25.3 272.13,60.21 v4(272.14,60.2) ; v4(262.56,77.85) 262.57,77.86 LED24.1
Net-(LED25-DOUT): length 25.2
  In1.Cu w0.2: v4(262.76,58.8) 262.76,53.73 270.26,46.23 270.26,42.95 v4(272.06,41.15)
  Bottom w0.2: LED26.3 272.06,41.16 v4(272.06,41.15) ; LED25.1 262.77,58.81 v4(262.76,58.8)
Net-(LED26-DOUT): length 14
  In1.Cu w0.2: v4(262.81,39.75) 254.44,39.75 v4(253.06,41.13)
  Bottom w0.2: LED26.1 262.82,39.76 v4(262.81,39.75) ; LED29.3 253.03,41.16 v4(253.06,41.13)
Net-(LED27-DIN): length 27.8
  In1.Cu w0.2: v4(252.76,79.25) 247.64,74.13 247.64,67.3 245.04,64.7 245.04,60.15 v4(243.66,58.78)
  Bottom w0.2: v4(243.66,58.78) 243.69,58.81 LED28.1 ; v4(252.76,79.25) 250.96,79.25
Net-(LED27-DOUT): length 16
  In1.Cu w0.2: v4(243.61,77.85) 240.21,77.85 v4(234.06,84)
  Bottom w0.2: LED27.1 243.62,77.86 v4(243.61,77.85) ; v4(234.06,84) 234.04,84.02 LED30.3
Net-(LED28-DIN): length 27.9
  In1.Cu w0.2: v4(252.91,60.23) 247.36,54.68 247.36,47.98 244.74,45.35 244.74,40.73 v4(243.74,39.73)
  Bottom w0.2: v4(243.74,39.73) 243.77,39.76 LED29.1 ; v4(252.91,60.23) 250.97,60.23
Net-(LED30-DOUT): length 25.1
  In1.Cu w0.2: v4(224.46,82.63) 224.46,77.83 232.26,70.03 232.26,66.4 v4(233.69,64.98)
  Bottom w0.2: LED30.1 224.47,82.62 v4(224.46,82.63) ; v4(233.69,64.98) 231.91,64.98
Net-(LED31-DOUT): length 25.1
  In1.Cu w0.2: v4(224.56,63.58) 224.56,58.65 232.14,51.08 232.14,47.55 v4(233.76,45.93)
  Bottom w0.2: v4(224.56,63.58) 224.57,63.57 LED31.1 ; v4(233.76,45.93) 231.91,45.93
Net-(LED32-DOUT): length 33.6
  In2.Cu w0.2: v4(205.21,24.5) 206.71,26 210.26,26 217.36,33.1 217.36,34.4 224.66,41.7 v4(224.66,44.5)
  Bottom w0.2: v4(205.21,24.5) 205.2,24.49 LED36.3 ; v4(224.66,44.5) 226.28,44.5
Net-(LED33-DIN): length 27.8
  In1.Cu w0.2: v4(205.46,65.95) 207.31,67.8 207.31,72.41 210.36,75.46 210.36,79.5 214.61,83.75 v4(214.61,86.4)
  Bottom w0.2: v4(214.61,86.4) 212.85,86.4 ; LED34.1 v4(205.46,65.95)
Net-(LED33-DOUT): length 13.9
  In2.Cu w0.2: v4(205.31,85) 204.31,84 v4(195.61,84)
  Bottom w0.2: v4(195.61,84) 195.59,84.02 LED37.3 ; v4(205.31,85) LED33.1
Net-(LED34-DIN): length 26.7
  In1.Cu w0.2: v4(205.99,47.55) 206.99,48.55 206.99,52.93 209.09,55.03 209.09,61.8 v4(214.64,67.35)
  Bottom w0.2: 212.85,67.35 v4(214.64,67.35) ; v4(205.99,47.55) 206.64,46.9 207.25,46.9
Net-(LED35-DIN): length 45.4
  In1.Cu w0.2: v1(216.04,45.05) 216.04,44.34 217.13,43.24 217.13,32.5 206.21,21.58 197.44,21.58 v4(195.94,23.08)
  Bottom w0.2: v4(195.94,23.08) 195.95,23.09 LED36.1 ; 213.54,48.3 216.04,45.8 v1(216.04,45.05)
Net-(LED37-DOUT): length 25.1
  In1.Cu w0.2: v4(195.56,64.98) 194.21,66.33 194.21,69.73 186.31,77.63 v4(186.31,82.63)
  Bottom w0.2: LED37.1 186.32,82.62 v4(186.31,82.63) ; v4(195.56,64.98) 193.81,64.98
Net-(LED38-DOUT): length 24.4
  In1.Cu w0.2: v4(186.66,63.58) 186.66,58.5 194.06,51.1 194.06,47.1 v4(195.31,45.85)
  Bottom w0.2: LED38.1 186.67,63.57 v4(186.66,63.58) ; LED39.3 195.24,45.92 v4(195.31,45.85)
Net-(LED39-DOUT): length 24.2
  Top w0.2: v4(185.01,23.35) 186.71,25.05 v1(186.71,35.7)
  In2.Cu w0.2: v4(186.69,43.2) 186.71,43.18 v1(186.71,35.7)
  Bottom w0.2: LED40.3 v4(185.01,23.35) ; v4(186.69,43.2) 188,44.52
Net-(LED40-DOUT): length 25
  Bottom w0.2: LED44.3 155.87,18.86 157.56,18.86 158.61,17.8 174.01,17.8 176.26,20.05 LED40.1
Net-(LED41-DIN): length 27.6
  In1.Cu w0.2: v4(167.26,61.2) 168.86,62.8 168.86,67.1 171.54,69.78 171.54,73.48 v1(171.56,73.5)
  Bottom w0.2: v1(171.56,73.5) 176.61,78.55 176.61,80.9 175.88,81.64 LED41.3 ; v4(167.26,61.2) 167.28,61.19 LED42.1
Net-(LED41-DOUT): length 19.7
  Top w0.2: v1(164.46,72.15) 164.44,72.13 161.19,72.13 161.19,72.13 v4(157.54,72.13)
  In2.Cu w0.2: v1(164.46,72.15) 166.11,73.8 166.11,78.77 v4(167.59,80.24)
  Bottom w0.2: v4(157.54,72.13) 157.53,72.12 LED45.3 ; v4(167.59,80.24) LED41.1
Net-(LED42-DIN): length 27.6
  In1.Cu w0.2: v4(176.41,62.59) 170.84,57.02 170.84,50.08 169.34,48.58 169.34,44.05 v4(167.41,42.13)
  Bottom w0.2: LED43.1 167.43,42.14 v4(167.41,42.13) ; v4(176.41,62.59) LED42.3
Net-(LED43-DIN): length 36.9
  In1.Cu w0.2: v4(176.56,43.55) 166.96,33.95 157.46,33.95 151.11,27.6 v4(151.11,26.1)
  Bottom w0.2: v4(176.56,43.55) 174.76,43.55 ; LED44.1 v4(151.11,26.1)
Net-(LED45-DOUT): length 24.6
  In1.Cu w0.2: v4(157.36,53.03) 157.36,55.3 156.01,56.65 156.01,58 148.51,65.5 v4(148.51,70.73)
  Bottom w0.2: v4(157.36,53.03) 157.33,53.07 LED46.3 ; v4(148.51,70.73) 150.09,70.73
Net-(LED46-DOUT): length 6.5
  Bottom w0.2: TP13.1 145.71,54.3 148.35,51.67 LED46.1
Net-(R18-Pad2): length 44.1
  Top w0.15: v1(83.39,43.68) 81.76,43.68 79.41,46.02 79.41,47.8 72.01,55.2 67.01,55.2 59.29,62.93 v1(59.29,63.93)
  Bottom w0.15: v1(83.39,43.68) 83.79,43.28 90.49,43.28 R18.2 ; v1(59.29,63.93) TACTSW3.2
Net-(R25-Pad2): length 36.3
  In1.Cu w0.15: v1(199.26,42.1) 201.41,42.1 207.61,48.3 207.61,49.06 208.1,49.55 210.96,49.55 213.21,51.8 213.21,53.6 215.81,56.2 215.81,64.7 v1(216.62,65.51)
  Bottom w0.15: v1(199.26,42.1) 198.59,42.1 R25.2 ; TACTSW4.2 v1(216.62,65.51)
Net-(U1-USB_DM): length 7.4
  Top w0.2: v4(74.55,41.36) 74.22,41.03 69.76,41.03 v1(69.49,41.3)
  Bottom w0.15: U1.46 69.74,41.05 v1(69.49,41.3)
  Bottom w0.2: R4.1 74.81,41.62 v4(74.55,41.36)
Net-(U1-USB_DP): length 7.3
  Top w0.2: v4(74.56,40.35) 74.24,40.68 69.74,40.68 v1(69.49,40.43)
  Bottom w0.15: U1.47 69.71,40.65 v1(69.49,40.43)
  Bottom w0.2: R3.2 74.8,40.12 v4(74.56,40.35)
Net-(U2-USB_DM): length 7
  Top w0.2: v4(202.66,37.85) 203.04,38.23 207.39,38.23 v1(207.61,38)
  Bottom w0.2: v1(207.61,38) 207.37,38.25 U2.46 ; 201.92,37.6 202.41,37.6 v4(202.66,37.85)
Net-(U2-USB_DP): length 7
  Top w0.2: v4(202.66,38.95) 203.04,38.58 207.39,38.58 v1(207.61,38.8)
  Bottom w0.2: 201.85,39.2 202.41,39.2 v4(202.66,38.95) ; v1(207.61,38.8) 207.46,38.65 U2.47
Net-(U4-Y): length 3.6
  Bottom w0.2: 53.48,79.46 54.44,78.5 55.49,78.5 R19.1
Net-(U5-VBUS): length 8.4
  Bottom w0.5: FB1.1 116.76,82.91 116.76,84.53 117.15,84.92 U5.5 122.29,84.92 F1.2
Net-(U8-Y): length 6.1
  Bottom w0.2: R26.1 221.74,80.2 224.61,80.2 225.36,79.46 U8.4
Net-(U9-VBUS): length 9.6
  Bottom w0.5: F2.2 154.94,84.92 U9.5 161.37,84.92 161.71,84.58 161.71,82.61 FB2.1

## Copper pours and planes (outline as drawn; the poured copper is in the pictures)
+3V3 on Bottom: 206.21,37.6 207.29,37.6 207.29,36.75 207.74,36.75 207.74,35.75 204.54,35.75 204.54,36.9 206.21,36.9
+3V3 on Bottom: 207.21,39.58 205.36,39.58 205.36,38.9 207.21,38.9
+3V3 on Bottom: 70.01,41.71 71.59,41.71 71.59,41.45 72.69,41.45 72.69,44.1 70.14,44.1 70.14,45.38 69.11,45.38 69.11,44.23 69.49,44.23 69.49,42.55 70.01,42.55
+5V on Top: 121.65,38.33 124.34,38.33 124.34,37.03 121.64,37.03 121.64,38.33
+5V on Top: 155.58,38.33 155.58,37.03 152.88,37.03 152.88,38.33
+5V on Top: 155.58,46.03 155.58,44.73 152.88,44.73 152.88,46.03
+5V on Top: 121.65,46.03 124.35,46.03 124.35,44.73 121.64,44.73 121.64,46.03
GND on Top, Bottom, In1.Cu, In2.Cu: 220.07,98.15 239.11,98.15 239.12,93.39 277.21,93.39 277.21,35.24 219.86,35.24 210.36,18.61 172.49,14.64 154.68,6.77 142.88,33.44 142.88,38.44 155.87,38.45 155.87,44.62 142.88,44.62 142.86,93.39 146.27,93.39 146.27,87.58 155.51,87.58 155.51,93.39 161.92,93.39 161.92,95.77 180.97,95.77 180.97,98.14 200.02,98.15 200.02,100.52 220.06,100.54
GND on Top, Bottom, In1.Cu, In2.Cu: 77.2,100.48 77.2,98.11 96.25,98.1 96.25,95.73 115.3,95.73 115.3,93.35 121.71,93.35 121.71,87.55 130.95,87.55 130.95,93.35 134.36,93.35 134.34,44.62 121.35,44.62 121.35,38.45 134.35,38.44 134.33,33.4 122.54,6.73 104.73,14.6 66.86,18.57 57.36,35.2 0.01,35.2 0.01,93.35 38.1,93.35 38.11,98.11 57.15,98.11 57.16,100.5

Small or netless copper shapes (teardrops, artwork), in the pictures only: 136 on Top, 326 on Bottom, 125 on In1.Cu, 168 on In2.Cu

## Text on the board
B.Silkscreen: Author: I. Kajdan | Boot | Reset | Katia Keyboard v${REVISION} | ${DATE}
User.9: { / "ViaStitching": "0.2", / "GND": { / "HSpacing": "2.5", / "VSpacing": "2.5", / "HOffset": "0", / "VOffset": "0", / "Clearance": "0.2", / "Randomize": false / } / } | { / "ViaStitching": "0.2", / "GND": { / "HSpacing": "5", / "VSpacing": "5", / "HOffset": "0", / "VOffset": "0", / "Clearance": "0.2", / "Randomize": false / } / }
